# Altium PCB drac_v3.PcbDoc (part 1 of 5)
Units mm, origin at the board's own origin, x right, y up, seen from the top; angles counter-clockwise.
Board outline 160 x 227.5 mm, 6 copper layers (Top Layer, Mid Layer 1_gnd, Mid Layer 2, Mid Layer 3, Mid Layer 4_gnd, Bottom Layer), stack 1.597 mm thick; 492 components, 264 nets, 1625 pads, 1112 vias.
Unrouted connection lines stored in the file: 68.
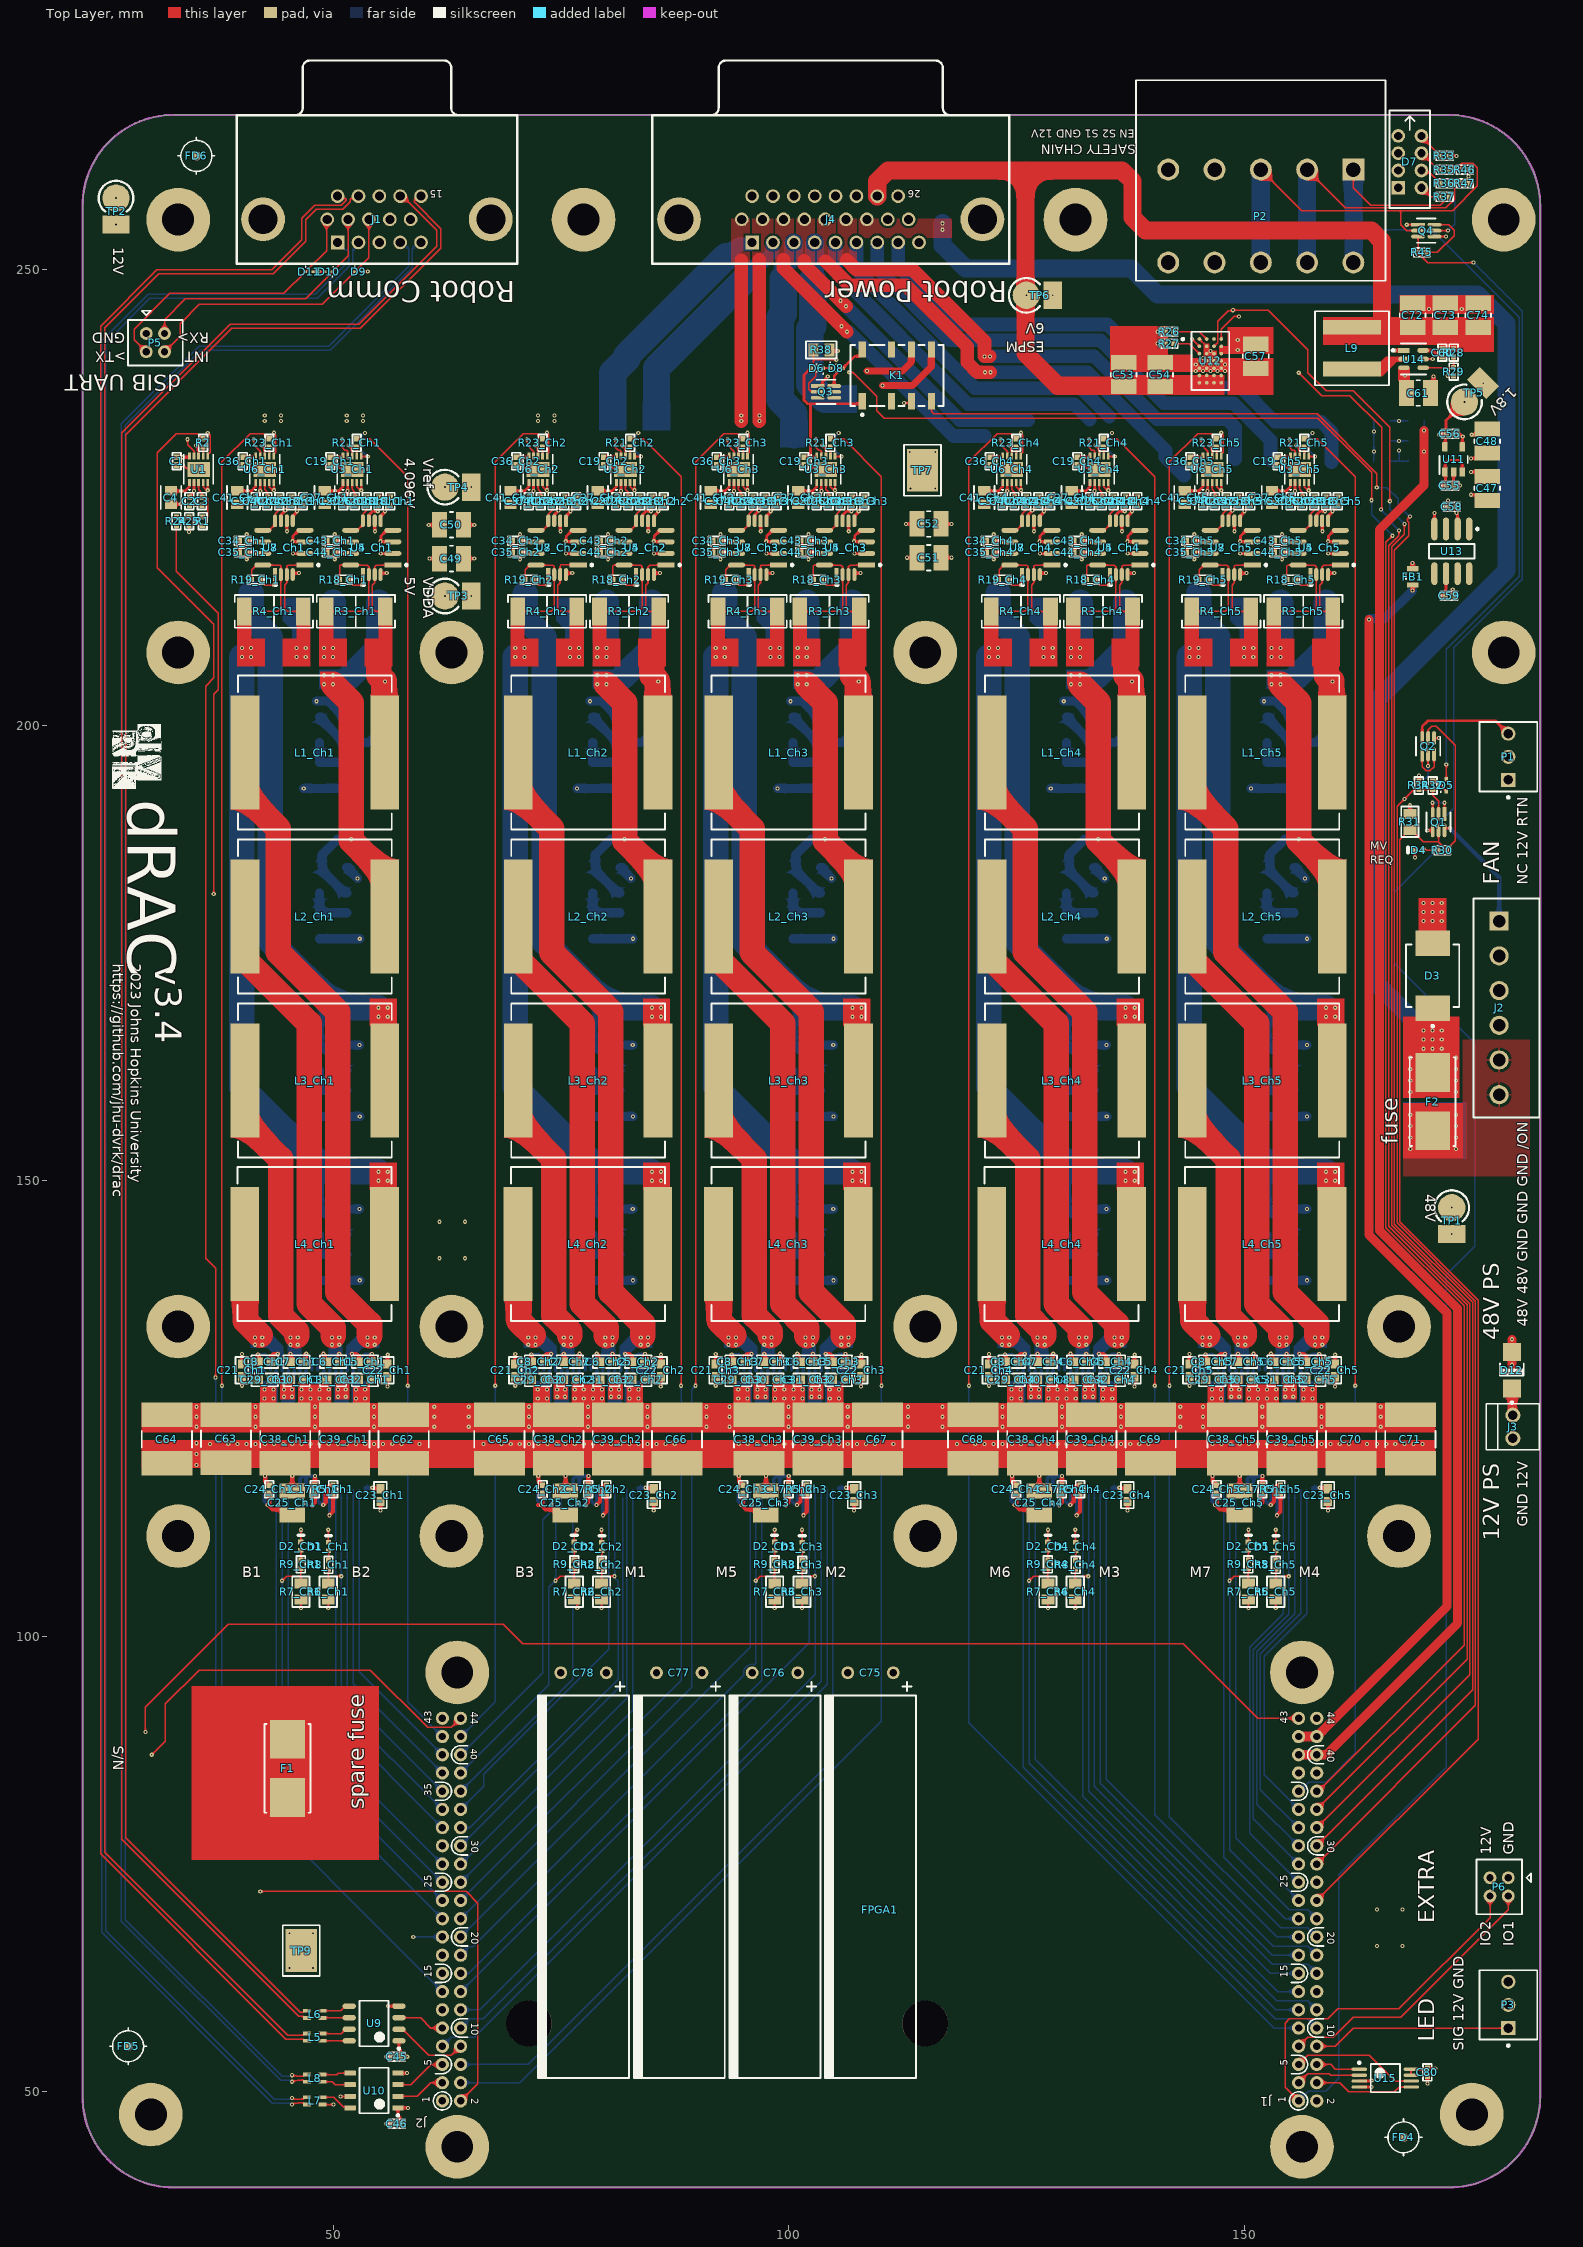
[diagram p0: Top Layer view]
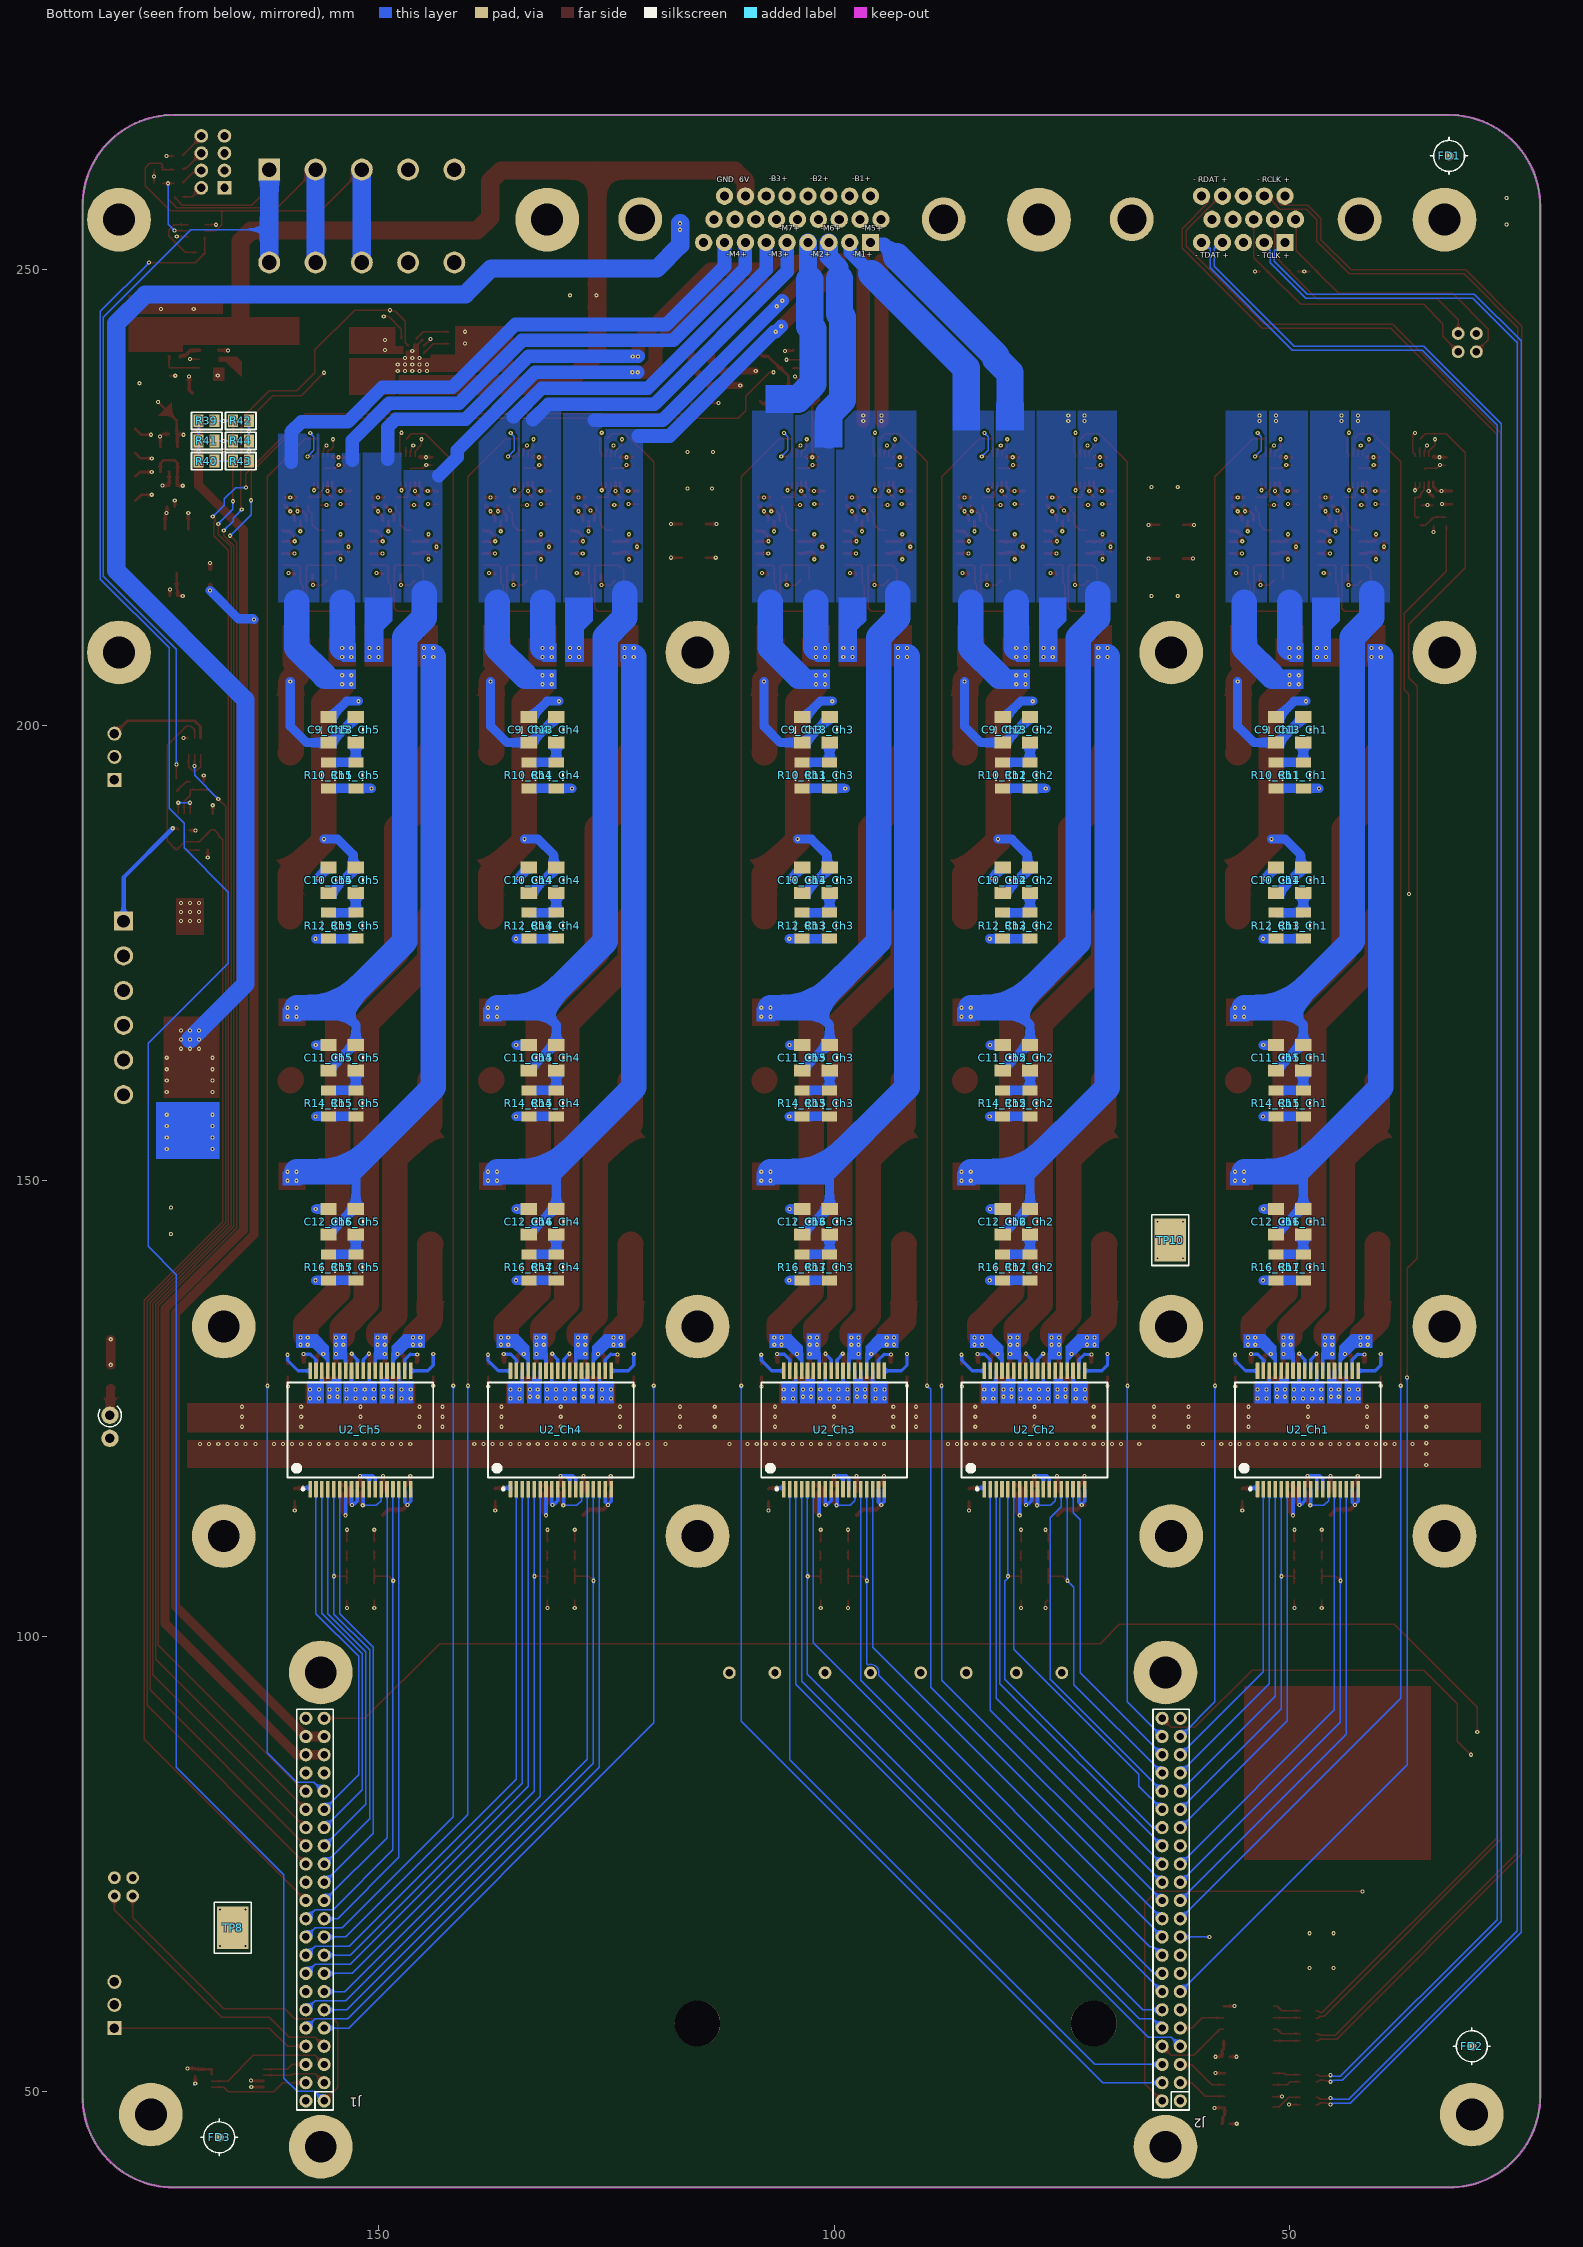
[diagram p1: Bottom Layer view, seen from below]
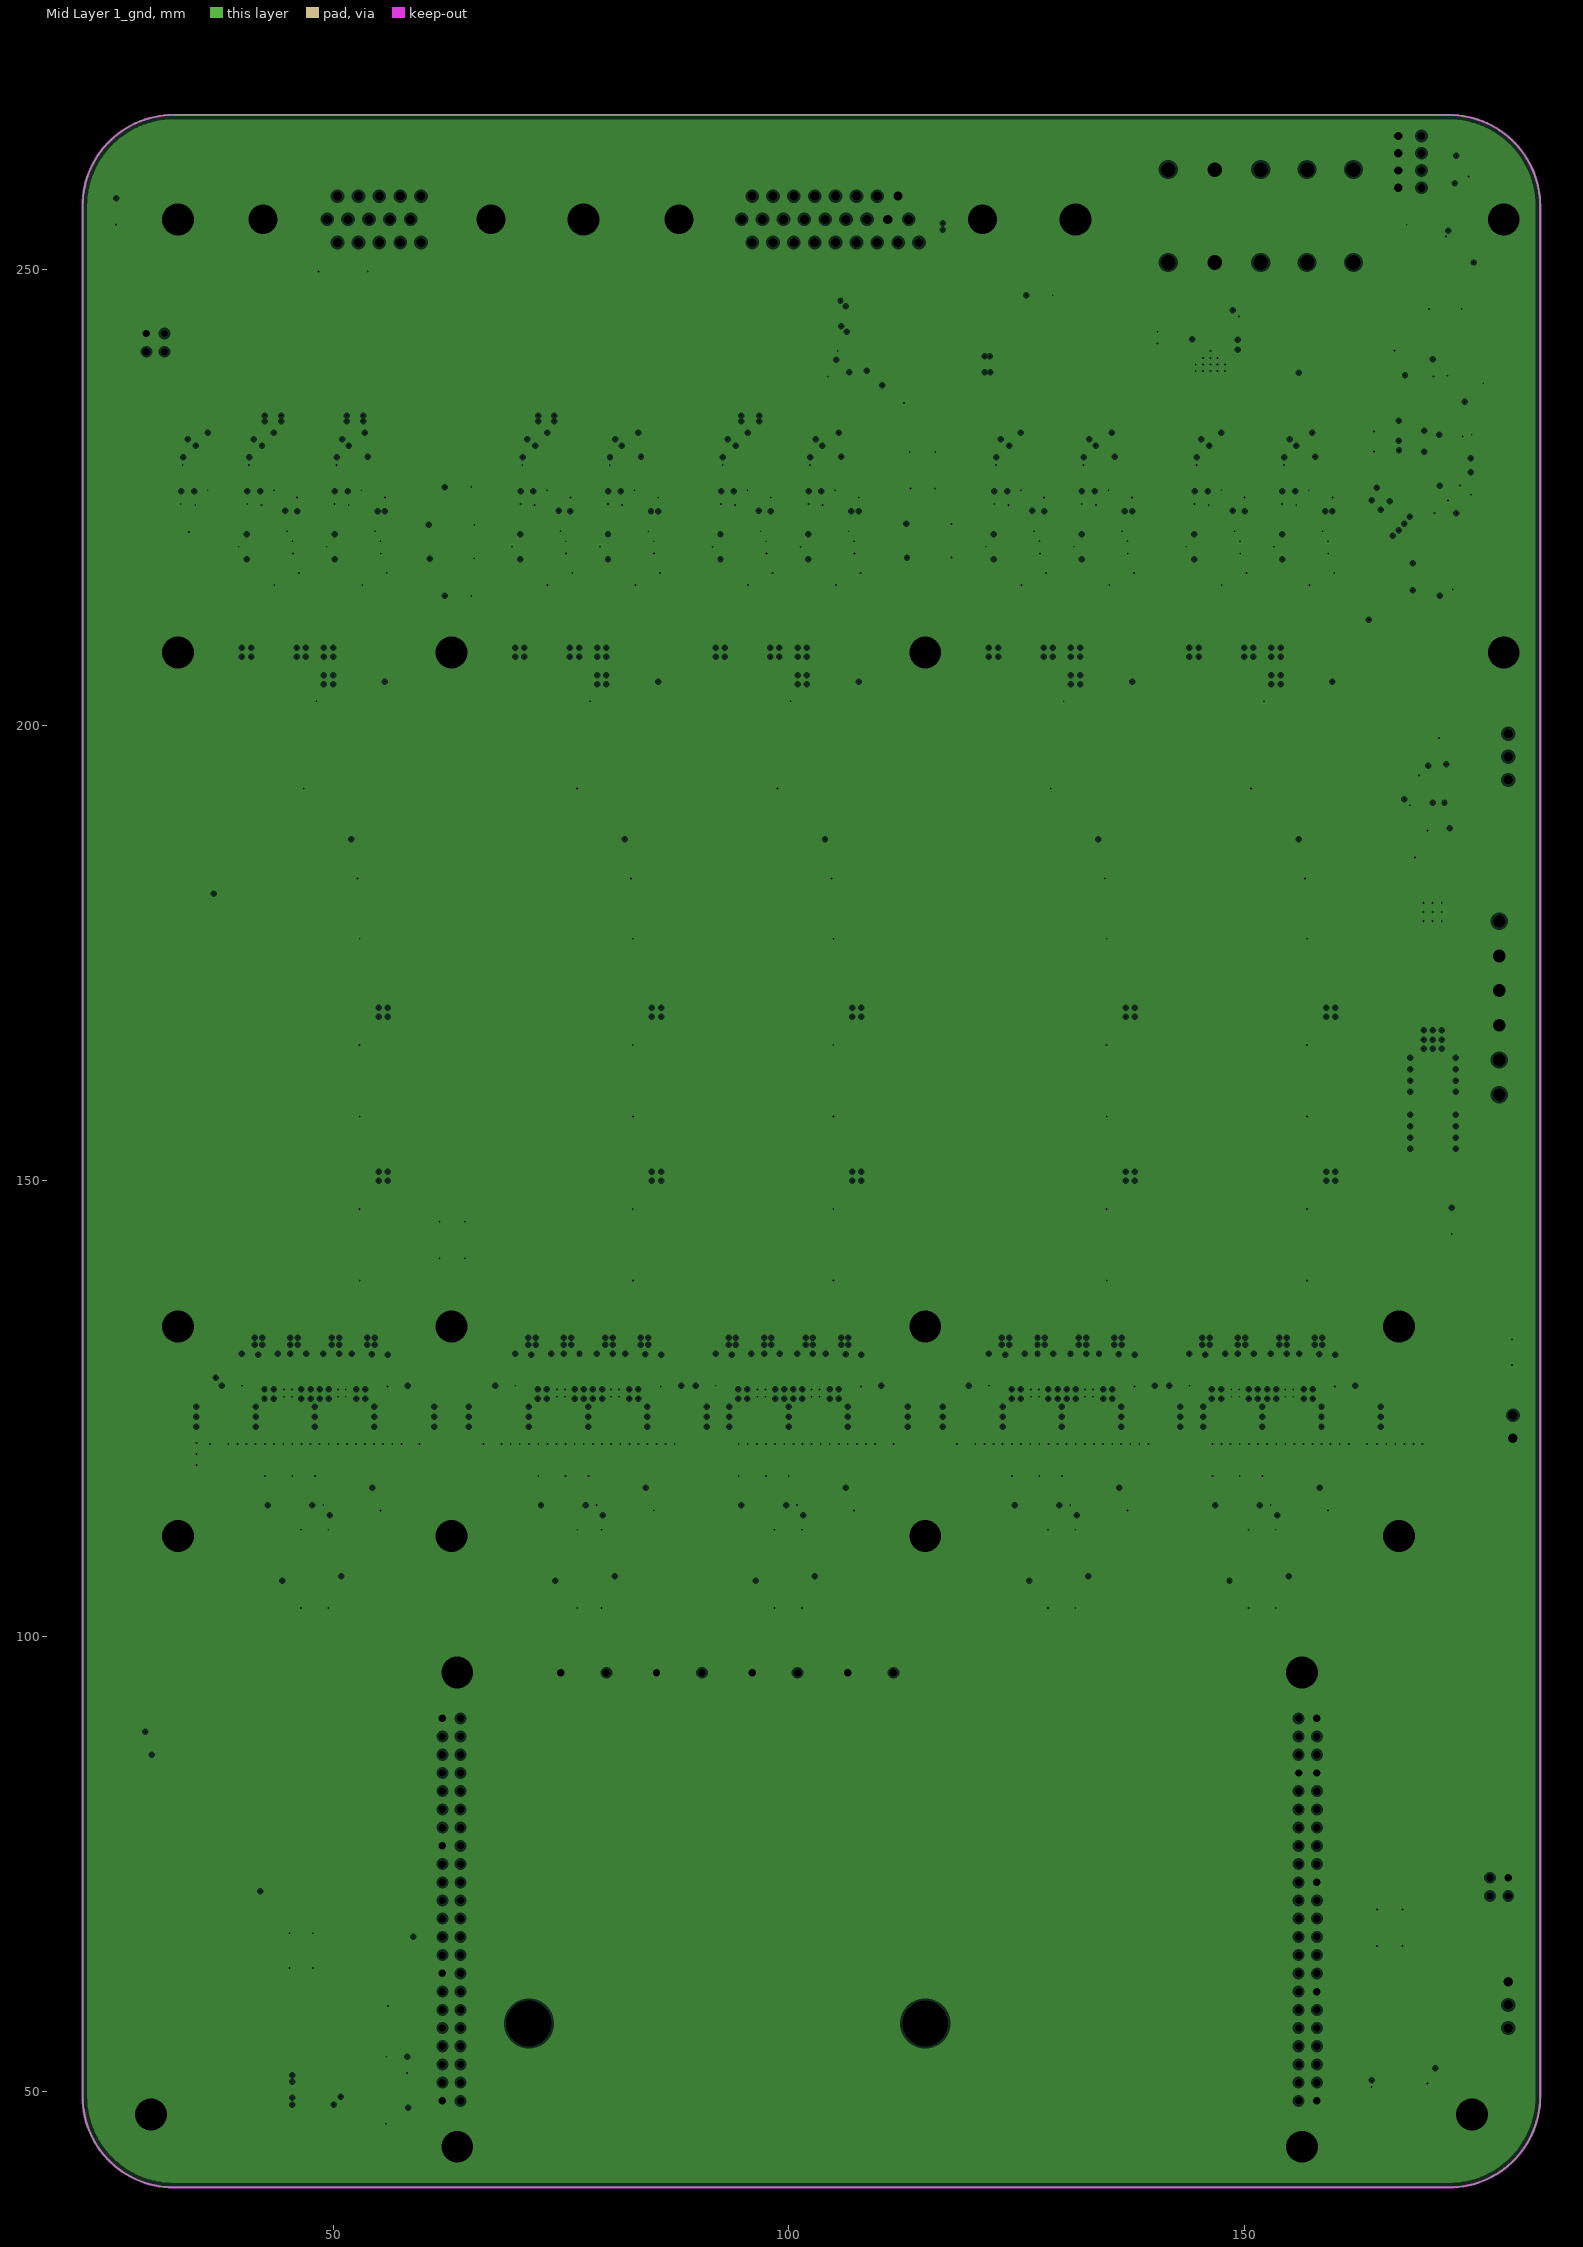
[diagram p2: Mid Layer 1_gnd, clearances drawn from the general rule]
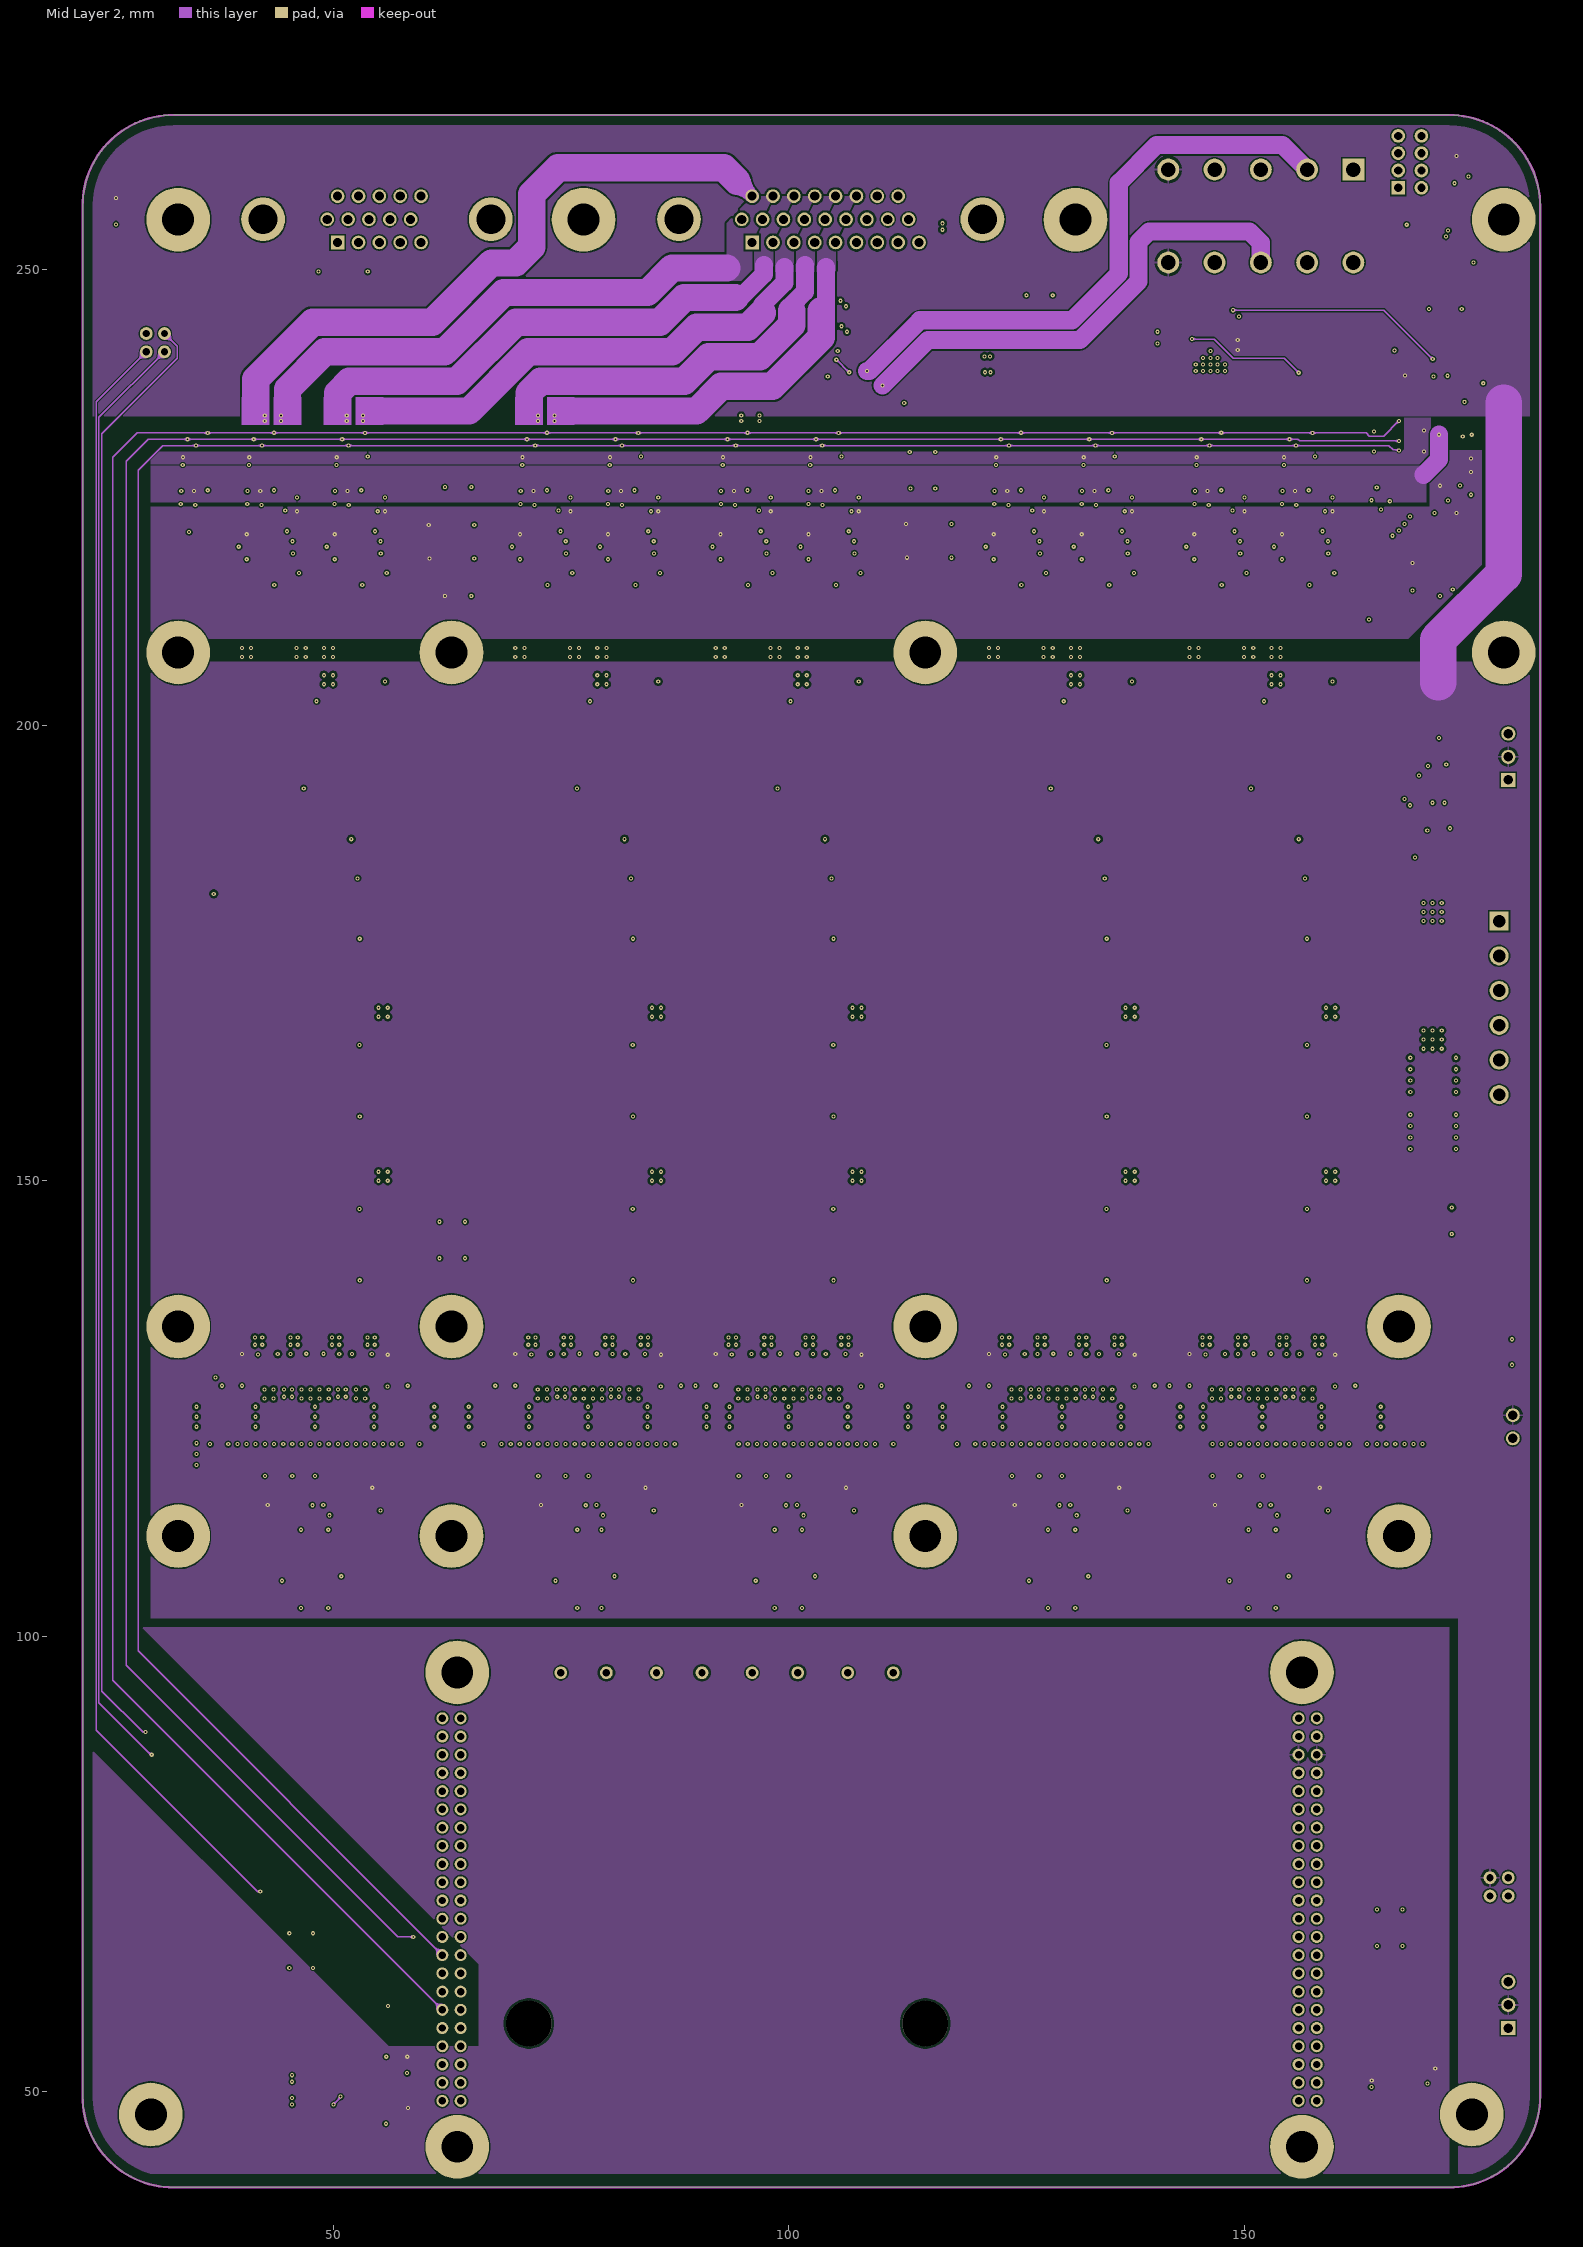
[diagram p3: Mid Layer 2]